# Altium PCB Hbrygga.PcbDoc
Units mm, origin at the board's own origin, x right, y up, seen from the top; angles counter-clockwise.
Board outline 100.5 x 39 mm, 2 copper layers (Top Layer, Bottom Layer), stack 1.071 mm thick; 42 components, 33 nets, 129 pads, 18 vias.
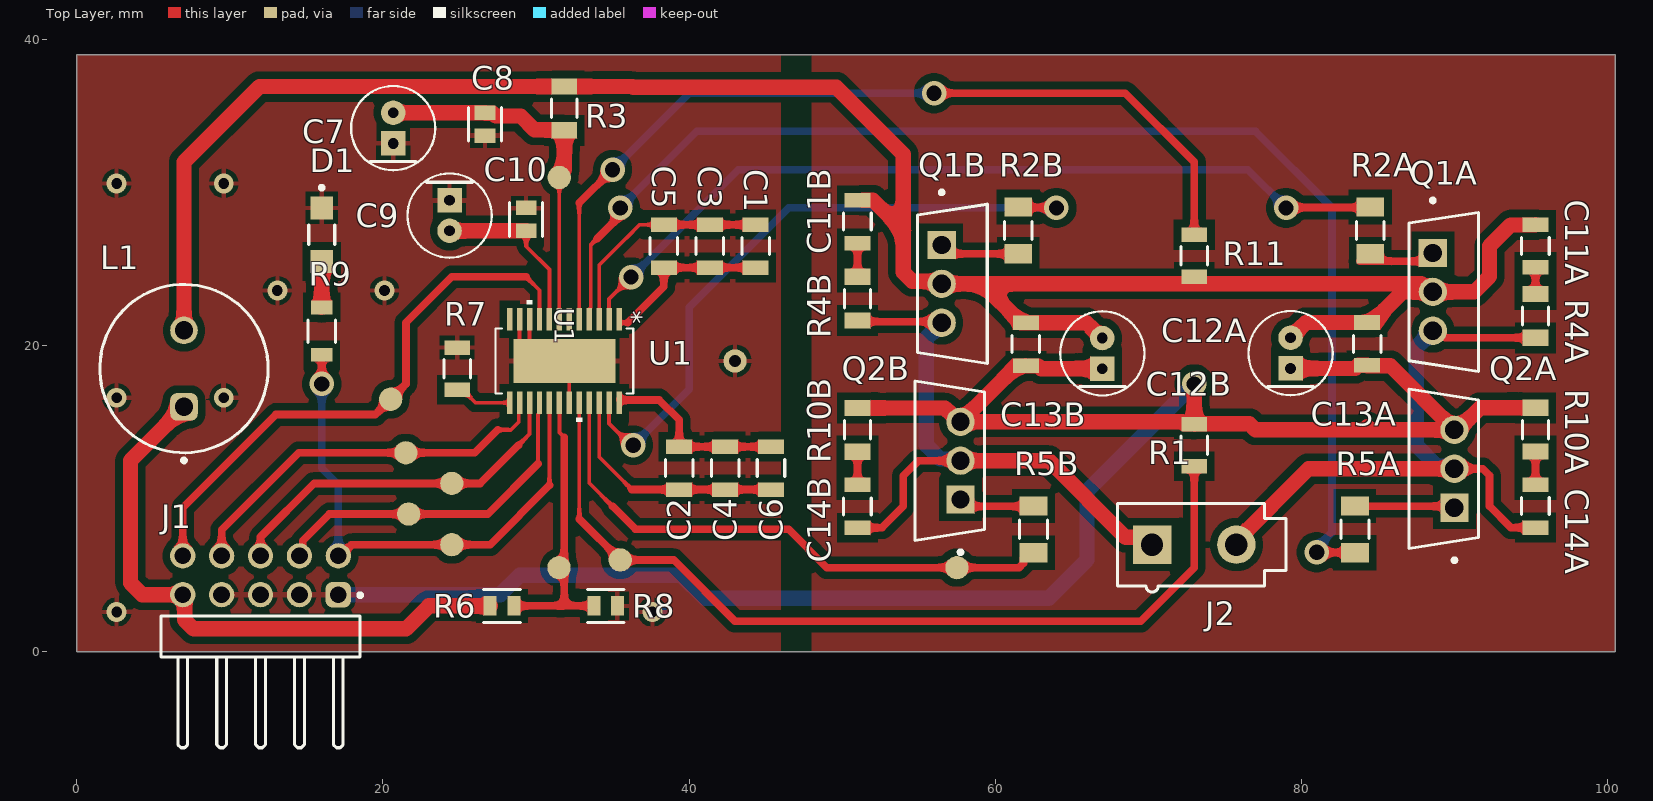
[diagram p0: Top Layer view]
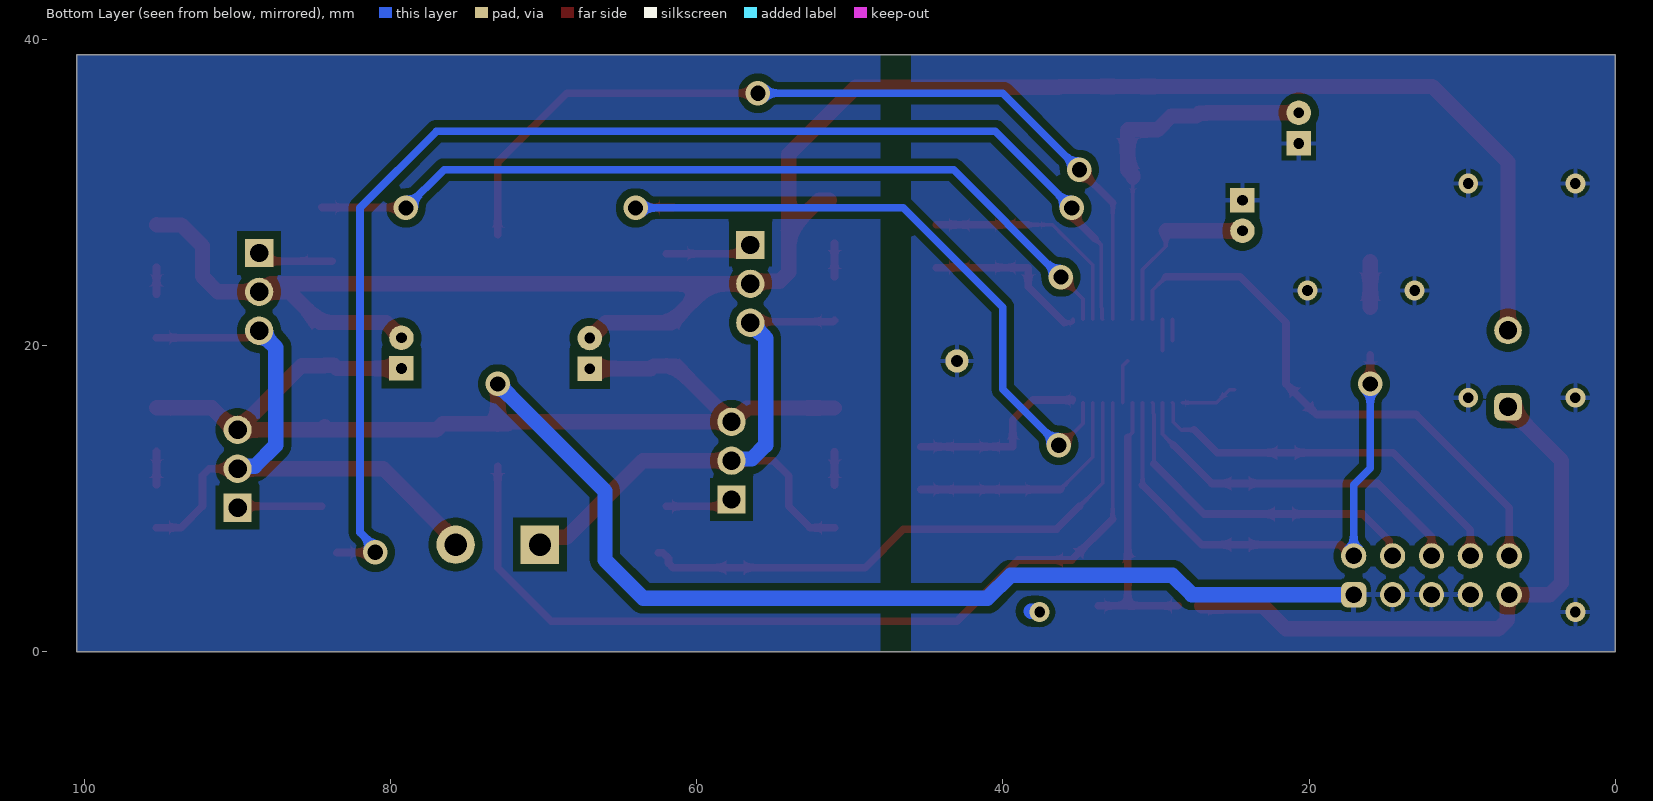
[diagram p1: Bottom Layer view, seen from below]
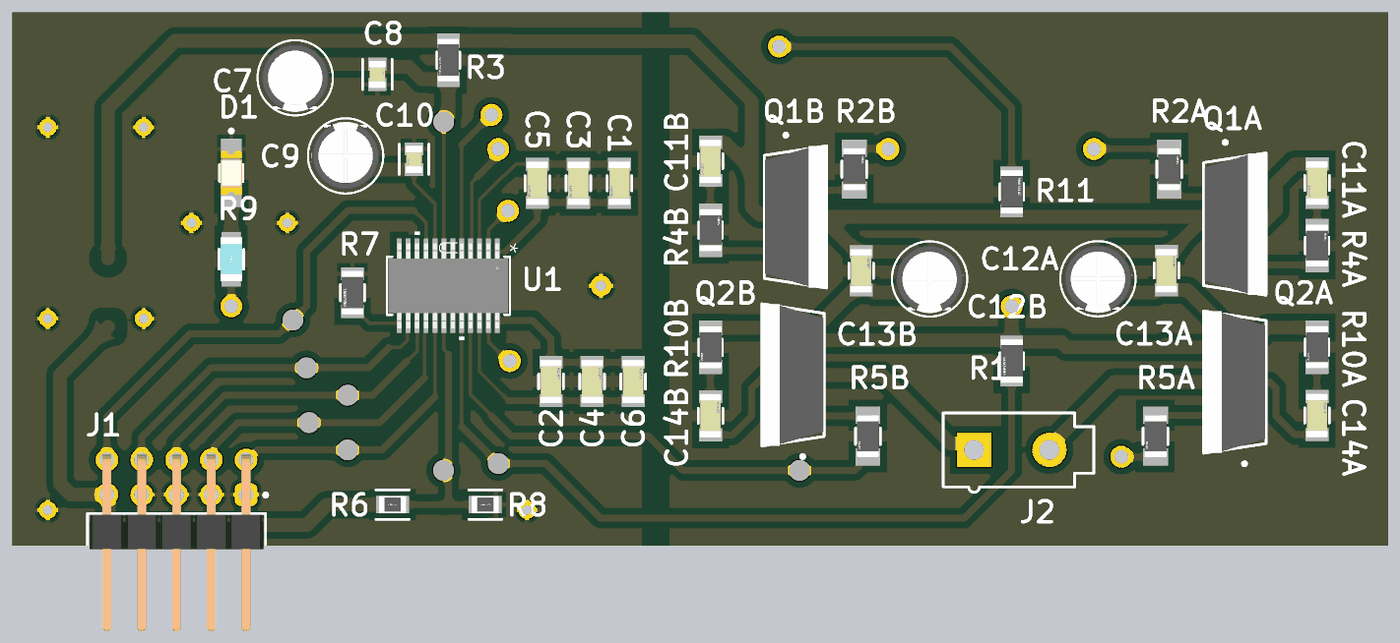
[diagram p2: 3D render of the assembled board from above, using the file's embedded part models]

## Layer stack, top to bottom
Top Solder: solder mask 0.0102, Solder Resist, Dk 3.5
Top Layer: signal copper 0.0356
Dielectric 1: dielectric 1, FR-4, Dk 4.8
Bottom Layer: signal copper 0.0356
Bottom Solder: solder mask 0.0102, Solder Resist, Dk 3.5

## Board outline
0,0 0,39 100.5,39 100.5,0

## Design rules (kind name [scope] priority, off if disabled: settings)
AssemblyTestPointUsage [All] p1: isadvanced=TRUE
AssemblyTestpoint [All] p1: isadvanced=TRUE testpointundercomponent=TRUE minsize=1.016 maxsize=2.54 preferedsize=1.524 minholesize=0 maxholesize=1.016 preferedholesize=0.813 testpointgrid=0.025 usegrid=TRUE gridtolerance=0 allowsidetop=TRUE allowsidebottom=TRUE
Clearance Clearance_1 [OnMid vs OnMid] p1: gap=0.5 ignorepadtopadclearanceinfootprint=FALSE except(0.25: Arc-Arc Arc-Track Arc-SMDPad Arc-THPad Arc-Text Track-Track Track-SMDPad Track-THPad Track-Text SMDPad-SMDPad SMDPad-Text THPad-THPad THPad-Text Text-Text) sourcerule=46 cellrowname=All cellrowtype=0 cellcolname=All cellcoltype=0 innerlayers=TRUE
Clearance Clearance_2 [(ExistsOnLayer('Top Layer') Or ExistsOnLayer('Bottom Layer')) vs (ExistsOnLayer('Top Layer') Or ExistsOnLayer('Bottom Layer'))] p2: gap=0.5 ignorepadtopadclearanceinfootprint=FALSE except(0.25: Arc-Arc Arc-Track Arc-SMDPad Arc-THPad Arc-Text Track-Track Track-SMDPad Track-THPad Track-Text SMDPad-SMDPad SMDPad-Text THPad-THPad THPad-Text Text-Text) sourcerule=46 cellrowname=All cellrowtype=0 cellcolname=All cellcoltype=0 outerlayers=TRUE
Clearance [All] p3: gap=0.254 ignorepadtopadclearanceinfootprint=FALSE ismatrix=TRUE
ComponentClearance [All] p1: isadvanced=TRUE gap=0.254 collisioncheckmode=3 verticalgap=0.254 showdistances=FALSE
FabricationTestPointUsage [All] p1: isadvanced=TRUE valid=0 allowmultiple=FALSE
FabricationTestpoint [All] p1: isadvanced=TRUE side=3 testpointundercomponent=TRUE minsize=1.016 maxsize=2.54 preferedsize=1.524 minholesize=0 maxholesize=1.016 preferedholesize=0.813 testpointgrid=0.025 allowsidetop=TRUE allowsidebottom=TRUE usegrid=TRUE gridtolerance=0
FanoutControl Fanout_BGA [IsBGA] p1: isadvanced=TRUE bgadir=Out bgaviamode=Centered fanoutstyle=Auto fanoutdirection=Alternating viagrid=0.025 // Fanout_BGA (Default Rule)
FanoutControl Fanout_LCC [IsLCC] p2: isadvanced=TRUE bgadir=Out bgaviamode=Centered fanoutstyle=Auto fanoutdirection=Alternating viagrid=0.025 // Fanout_LCC (Default Rule)
FanoutControl Fanout_SOIC [IsSOIC] p3: isadvanced=TRUE bgadir=Out bgaviamode=Centered fanoutstyle=Auto fanoutdirection=Alternating viagrid=0.025 // Fanout_SOIC (Default Rule)
FanoutControl Fanout_Small [(CompPinCount < 5)] p4: isadvanced=TRUE bgadir=Out bgaviamode=Centered fanoutstyle=Auto fanoutdirection=OutThenIn viagrid=0.025 // Fanout_Small (Default Rule)
FanoutControl Fanout_Default [All] p5: isadvanced=TRUE bgadir=Out bgaviamode=Centered fanoutstyle=Auto fanoutdirection=Alternating viagrid=0.025 // Fanout_Default (Default Rule)
Height [All] p1: isadvanced=TRUE minheight=0 maxheight=25.4 prefheight=12.7
HoleSize [All] p1: isadvanced=TRUE absolutevalues=TRUE maxlimit=2.54 minlimit=0.025 maxpercent=80.000 minpercent=20.000
HoleToHoleClearance [All] p1: isadvanced=TRUE gap=0.254 allowstackedmicrovias=TRUE
LayerPairs [All] p1: isadvanced=TRUE enforce=TRUE
MinimumSolderMaskSliver [All] p1: isadvanced=TRUE minsoldermaskwidth=0.254
NetAntennae [All] p1: isadvanced=TRUE netantennaetolerance=0
PasteMaskExpansion [All] p1: isadvanced=TRUE expansion=0
PlaneClearance [All] p1: isadvanced=TRUE clearance=0.508
PlaneConnect [All] p1: isadvanced=TRUE planeconnectstyle=Relief reliefexpansion=0.508 reliefentries=4 reliefconductorwidth=0.254 reliefairgap=0.254
PolygonConnect [All] p1: connectstyle=Relief reliefconductorwidth=0.3 reliefentries=4 polygonreliefangle="90 Angle" airgapwidth=0.3
RoutingCorners [All] p1: isadvanced=TRUE cornerstyle=45-Degree minsetback=2.54 maxsetback=2.54
RoutingPriority [All] p1: isadvanced=TRUE routingpriority=0
RoutingVias [All] p1: holewidth=0.7 width=1.3 viastyle="Through Hole" minholewidth=0.6 minwidth=1.3 maxholewidth=1 maxwidth=1.6
ShortCircuit [All] p1: isadvanced=TRUE allowed=FALSE
SilkToSilkClearance [All] p1: isadvanced=TRUE silktosilkclearance=0.254
SilkToSolderMaskClearance [IsPad] p1: isadvanced=TRUE minsilkscreentomaskgap=0.254 clearancetoexposedcopper=TRUE
SolderMaskExpansion [All] p1: isadvanced=TRUE expansion=0.102 istentingtop=FALSE
SupplyNets "Schematic Supply Nets_1" [InNet('VCC')] p1: isadvanced=TRUE voltage=0.000
SupplyNets "Schematic Supply Nets" [InNet('GND')] p2: isadvanced=TRUE voltage=0.000
UnRoutedNet [All] p1: isadvanced=TRUE
UnpouredPolygon [All] p1: isadvanced=TRUE
Width MaxMinWidth_3 [InNet('DT')] p1: maxlimit=1 minlimit=0.25 preferedwidth=1 minimp=50.000000 maximp=50.000000 favimp=50.000000
Width "Schematic Width Constraint_5" [InNet('VCC_IN')] p2: maxlimit=1 minlimit=0.25 preferedwidth=1 minimp=50.000000 maximp=50.000000 favimp=50.000000
Width "Schematic Width Constraint_4" [InNet('VDH')] p3: maxlimit=1 minlimit=0.25 preferedwidth=1 minimp=50.000000 maximp=50.000000 favimp=50.000000
Width "Schematic Width Constraint_3" [InNet('VS')] p4: maxlimit=1 minlimit=0.25 preferedwidth=1 minimp=50.000000 maximp=50.000000 favimp=50.000000
Width "Schematic Width Constraint_2" [InNet('SL')] p5: maxlimit=1 minlimit=0.25 preferedwidth=1 minimp=50.000000 maximp=50.000000 favimp=50.000000
Width "Schematic Width Constraint_1" [InNet('SH2')] p6: maxlimit=1 minlimit=0.25 preferedwidth=1 minimp=50.000000 maximp=50.000000 favimp=50.000000
Width MaxMinWidth_1 [InNet('GND')] p7: maxlimit=1 minlimit=0.25 preferedwidth=1 minimp=50.000000 maximp=50.000000 favimp=50.000000
Width MaxMinWidth_2 [InNet('VCC')] p8: maxlimit=1 minlimit=0.5 preferedwidth=1 minimp=50.000000 maximp=50.000000 favimp=50.000000
Width [All] p9: maxlimit=1 minlimit=0.25 preferedwidth=0.5 minimp=50.000000 maximp=50.000000 favimp=50.000000
4 further rules are at their usual default settings.

## Classes and differential pairs
channel class Half_bridge: U_Half_bridge1 U_Half_bridge2
component class U_Half_bridge2: C11B C12B C13B C14B Q1B Q2B R2B R4B R5B R10B
component class U_Half_bridge1: C11A C12A C13A C14A Q1A Q2A R2A R4A R5A R10A
component class Hbrygga: C1 C2 C3 C4 C5 C6 C7 C8 C9 C10 D1 J1 J2 L1 R1 R3 R6 R7 R8 R9 R11 U1

## Components (designator, comment, footprint, x,y, rotation, side; value= is the part's Value field where it differs from the comment)
C1 "100nF" FP-C1206C-EB-MFG 44.35,26.5 r90 top value="0.10 μF"
C2 "100nF" FP-C1206C-EB-MFG 39.35,12 r270 top value="0.10 μF"
C3 "100nF" FP-C1206C-EB-MFG 41.35,26.5 r90 top value="0.10 μF"
C4 "100nF" FP-C1206C-EB-MFG 42.35,12 r270 top value="0.10 μF"
C5 "100nF" FP-C1206C-EB-MFG 38.35,26.5 r90 top value="0.10 μF"
C6 "100nF" FP-C1206C-EB-MFG 45.35,12 r270 top value="0.10 μF"
C7 "2.2uF" FP-RAD-TH-D_5_0_5-L_11_1-MFG 20.668,34.214 r90 top
C8 "10nF" FP-C0805C-DN-MFG 26.668,34.464 r270 top value="10,000 pF"
C9 "2.2uF" FP-RAD-TH-D_5_0_5-L_11_1-MFG 24.35,28.5 r270 top
C10 "10nF" FP-C0805C-DN-MFG 29.35,28.25 r90 top value="10,000 pF"
C11A "47nF" FP-C1206C-EB-MFG 95.295,26.514 r90 top value="47,000 pF" (schematic designator C11)
C11B "47nF" FP-C1206C-EB-MFG 51,28.1 r90 top value="47,000 pF" (schematic designator C11)
C12A "2.2uF" FP-RAD-TH-D_5_0_5-L_11_1-MFG 79.295,19.514 r90 top (schematic designator C12)
C12B "2.2uF" FP-RAD-TH-D_5_0_5-L_11_1-MFG 67,19.5 r90 top (schematic designator C12)
C13A "100nF" FP-C1206C-EB-MFG 84.295,20.114 r270 top value="0.10 μF" (schematic designator C13)
C13B "100nF" FP-C1206C-EB-MFG 62,20.1 r270 top value="0.10 μF" (schematic designator C13)
C14A "47nF" FP-C1206C-EB-MFG 95.295,9.514 r270 top value="47,000 pF" (schematic designator C14)
C14B "47nF" FP-C1206C-EB-MFG 51,9.5 r270 top value="47,000 pF" (schematic designator C14)
D1 "LTST-C150AKT" FP-LTST-C150AKT-MFG 16,27.25 r270 top
J1 "61301021021" 61301021021 12,1 r0 top
J2 "39-28-1023" MOLX-39-28-1023-2_V 73,7 r90 top
L1 "7447471022" WE-TIS_1111 -1263,1288.5 r90 top
Q1A "IRF3205ZPBF" FP-PG-TO220-3-MFG 89.295,23.514 r0 top (schematic designator Q1)
Q1B "IRF3205ZPBF" FP-PG-TO220-3-MFG 57.205,24.04 r0 top (schematic designator Q1)
Q2A "IRF3205ZPBF" FP-PG-TO220-3-MFG 89.295,11.96 r180 top (schematic designator Q2)
Q2B "IRF3205ZPBF" FP-PG-TO220-3-MFG 57.027,12.486 r180 top (schematic designator Q2)
R1 "0ohm" FP-RC3216-IPC_C 73,13.5 r270 top
R2A "100Ohm" FP-AT1206-IPC_A 84.5,27.527 r90 top (schematic designator R2)
R2B "100Ohm" FP-AT1206-IPC_A 61.5,27.527 r90 top (schematic designator R2)
R3 "33ohm" FP-CR1206-IPC_B 31.85,35.5 r270 top
R4A "10Ohm" FP-AT1206-IPC_B 95.295,21.941 r90 top (schematic designator R4)
R4B "10Ohm" FP-AT1206-IPC_B 51,23.073 r90 top (schematic designator R4)
R5A "100Ohm" FP-AT1206-IPC_A 83.5,8 r270 top (schematic designator R5)
R5B "100Ohm" FP-AT1206-IPC_A 62.5,8 r270 top (schematic designator R5)
R6 "56kOhm" FP-MCR10-IPC_C 27.777,3 r180 top
R7 "0ohm" FP-RC3216-IPC_C 24.85,18.5 r270 top
R8 "10kOhm" FP-MCR10-IPC_C 34.554,3 r180 top
R9 "330ohm" FP-RK73G2B-MFG 16,20.95 r270 top
R10A "10Ohm" FP-AT1206-IPC_B 95.295,14.514 r270 top (schematic designator R10)
R10B "10Ohm" FP-AT1206-IPC_B 51,14.5 r270 top (schematic designator R10)
R11 "0ohm" FP-RC3216-IPC_C 73,25.876 r90 top
U1 "TLE7181EMXUMA1" PG-SSOP-4_INF 31.85,19 r270 top

## Footprints (in the part's own frame and the unit in brackets; to place one, negate y for a bottom-side part, rotate by r counter-clockwise, add the part's x,y. Pads: shape width x height; smd on the part's side, far side on the other; paste and mask are expansions set on the pad)
61301021021 [mm] "Pin Header, pitch 2.54 mm, THT, Angled, dual row, 10p"
  rrect50% 1.65x1.65 hole 1.1: 1(5.08,2.73)
  round 1.65 hole 1.1: 2(5.08,5.27) 3(2.54,2.73) 4(2.54,5.27) 5(0,2.73) 6(0,5.27) 7(-2.54,2.73) 8(-2.54,5.27) 9(-5.08,2.73) 10(-5.08,5.27)
  silkscreen extent -6.5,-7.27 6.64,2.82, body extent -6.35,-7.27 6.35,5.63, height 5.12
FP-AT1206-IPC_A [mm]
  rect 1.258x1.812 smd paste+0 mask+0: 1(-1.527,0) 2(1.527,0)
  silkscreen extent -0.6,-0.91 0.6,0.91, body extent -2.66,-1.41 2.66,1.41, height 0.25
FP-AT1206-IPC_B [mm]
  rect 1.058x1.712 smd paste+0 mask+0: 1(-1.427,0) 2(1.427,0)
  silkscreen extent -0.6,-0.86 0.6,0.86, body extent -2.21,-1.11 2.21,1.11, height 0.25
FP-C0805C-DN-MFG [mm]
  rect 0.95x1.35 smd paste+0 mask+0: 1(-0.75,0) 2(0.75,0)
  silkscreen extent -1.1,-1.07 1.1,1.07, body extent -1.4,-0.85 1.4,0.85, height 0.25
FP-C1206C-EB-MFG [mm]
  rect 0.95x1.7 smd paste+0 mask+0: 1(-1.4,0) 2(1.4,0)
  silkscreen extent -0.55,-0.9 0.55,0.9, body extent -2,-1 2,1, height 0.25
FP-CR1206-IPC_B [mm]
  rect 1.058x1.662 smd paste+0 mask+0: 1(-1.427,0) 2(1.427,0)
  silkscreen extent -0.6,-0.83 0.6,0.83, body extent -2.21,-1.08 2.21,1.08, height 0.25
FP-LTST-C150AKT-MFG [mm]
  rect 1.5x1.5 smd paste+0 mask+0: 1(-1.75,0) 2(1.75,0)
  silkscreen extent -3.2,-0.85 0.63,0.85, body extent -2.6,-0.95 2.6,0.95, height 0.25
FP-MCR10-IPC_C [mm]
  rect 0.858x1.262 smd paste+0 mask+0: 1(-0.777,0) 2(0.777,0)
  silkscreen extent -1.21,-1.07 1.21,1.07, body extent -1.31,-0.77 1.31,0.77, height 0.25
FP-PG-TO220-3-MFG [mm]
  rect 1.85x1.85 hole 1.2 paste-2539.97 mask+0: 1(-0.705,2.54)
  round 1.85 hole 1.2 paste-2539.97 mask+0: 2(-0.705,0) 3(-0.705,-2.54)
  silkscreen extent -2.27,-5.2 2.27,6.1, body extent -2.37,-5.55 2.37,5.55, height 0.25
FP-RAD-TH-D_5_0_5-L_11_1-MFG [mm]
  rect 1.6x1.6 hole 0.7 paste-2539.97 mask+0: 1(-1,0)
  round 1.6 hole 0.7 paste-2539.97 mask+0: 2(1,0)
  silkscreen extent -2.75,-2.75 2.75,2.75, body extent -2.85,-2.85 2.85,2.85, height 0.25
FP-RC3216-IPC_C [mm]
  rect 0.955x1.658 smd paste+0 mask+0: 1(-1.376,0) 2(1.376,0)
  silkscreen extent -0.6,-0.87 0.6,0.87, body extent -1.95,-0.97 1.95,0.97, height 0.25
FP-RK73G2B-MFG [mm]
  rect 0.9x1.4 smd paste+0 mask+0: 1(-1.55,0) 2(1.55,0)
  silkscreen extent -0.72,-0.9 0.72,0.9, body extent -2.1,-1 2.1,1, height 0.25
MOLX-39-28-1023-2_V [mm] "THD, 2-Leads, Body 11x5.8mm"
  rect 2.5x2.5 hole 1.45: 1(0,2.75)
  round 2.5 hole 1.45: 2(0,-2.75)
  silkscreen extent -3.1,-6 2.7,5, body extent -3.1,-6 2.7,5, height 13.6
PG-SSOP-4_INF [mil]
  rect 57.5x14 smd paste+0 mask+0: 1(-107.25,140.75) 2(-107.25,115.16) 3(-107.25,89.57) 4(-107.25,63.98) 5(-107.25,38.39) 6(-107.25,12.8) 7(-107.25,-12.8) 8(-107.25,-38.39) 9(-107.25,-63.98) 10(-107.25,-89.57) 11(-107.25,-115.16) 12(-107.25,-140.75) 13(107.25,-140.75) 14(107.25,-115.16) 15(107.25,-89.57) 16(107.25,-63.98) 17(107.25,-38.39) 18(107.25,-12.8) 19(107.25,12.8) 20(107.25,38.39) 21(107.25,63.98) 22(107.25,89.57) 23(107.25,115.16) 24(107.25,140.75)
  rect 114x262 smd paste-130.5 mask+0: EPAD(0,0)
  silkscreen extent -156,-177 156,177, body extent -122,-172 122,172, height 67
WE-TIS_1111 [mm] "THT Shielded Radial Leaded Wire Wound Inductor, body diameter 11mm"
  rrect50% 1.8x1.8 hole 1.2: 1(-1272.5,-1270)
  round 1.8 hole 1.2: 2(-1267.5,-1270)
  silkscreen extent -1276.12,-1275.5 -1264.5,-1264.5, body extent -1275.3,-1275.3 -1264.7,-1264.7, height 10.6

## Part data
C1 C2 C3 C4 C5 C6 C13A C13B: library part CMP-03020-008411-1, "C1206 0.10 μF U2J 2.00% 16 V", Capacitance="0.10 μF", Manufacturer=KEMET, Manufacturer Part Number=C1206C104G4JACAUTO, Package=C1206C-EB, Temperature="-55°C to +150°C", Temperature Characteristic=U2J, Temperature Coefficient=15%, Temperature Range High=+150°C, Temperature Range Low=-55°C, Tolerance=0.02, Voltage Rating="16 V", Automotive=Yes, Automotive Grade="Grade 0", Category=Cap, ComponentLink2Description=Datasheet, ComponentLink2URL=https://content.kemet.com/datasheets/KEM_C1007_X8R_ULTRA_150C_SMD.pdf, Device Class L1="Passive Components", Device Class L2=Capacitors, Device Class L3="Ceramic Capacitors", Height=0.88mm, Ipc Land Pattern Name=CAPC320160X78, Lead Free=Yes, Material=Ceramic, Octopart=https://octopart.com/c1206c104g4jacauto-kemet-84732513, RoHS=TRUE
C7 C9 C12A C12B: library part CMP-05427-000193-1, "Aluminum Electrolytic Capacitors (Radial Lead Type) 2.2uF ±20% 100V", Case/Package=Radial, Dielectric Material=Aluminium, Leakage Current=3uA, Max Operating Temperature=85°C, Min Operating Temperature=-40°C, Package Quantity=200, Ripple Current=30mA, Tolerance=20%, Voltage=63V, Voltage Rating=100V, Capacitance=2.2uF, Construction=RADIAL, Contact Plating=Tin, Diameter=5mm, Dissipation Factor=0.1%, Height=11mm, Height - Seated (Max)=0.472inch, Lead Diameter=0.5mm, Lead Free="Lead Free", Lead Pitch=2mm, Lead/Base Style=Straight, Length=11mm, Life (Hours)=2000Hour, Mount="Through Hole", Number of Pins=2, Packaging=Bulk, Radiation Hardening=No, REACH SVHC="No SVHC", Ripple Current (AC)=30mA, RoHS Compliant=Yes, Series=M, Termination=Radial, Voltage Rating (DC)=100V
C8 C10: library part CMP-03020-028549-1, "C0805 10,000 pF X8R 30ppm/°C 10.00% 50 V", Capacitance="10,000 pF", Manufacturer=KEMET, Manufacturer Part Number=C0805C103K5HAC, Package=C0805C-DN, Temperature="-55°C to +125°C", Temperature Characteristic=X8R, Temperature Coefficient=30ppm/°C, Temperature Range High=+125°C, Temperature Range Low=-55°C, Tolerance=0.1, Voltage Rating="50 V", Automotive=No, Category=Cap, ComponentLink2Description=Datasheet, ComponentLink2URL=https://content.kemet.com/datasheets/KEM_C1003_C0G_SMD.pdf, Device Class L1="Passive Components", Device Class L2=Capacitors, Device Class L3="Ceramic Capacitors", Height=0.88mm, Ipc Land Pattern Name=CAPC200125X78, Lead Free=Yes, Material=Ceramic, Mouser Description="Multilayer Ceramic Capacitors MLCC - SMD/SMT 50volts 0.01uF 10% ULTRA STABLE X8R", Octopart=https://octopart.com/c0805c103k5hac-kemet-74776188, RoHS=TRUE
C11A C11B C14A C14B: library part CMP-03020-010204-1, "C1206 47,000 pF X8R 20.00% 50 V", Capacitance="47,000 pF", Manufacturer=KEMET, Manufacturer Part Number=C1206C473M5HAC, Package=C1206C-EB, Temperature="-55°C to +150°C", Temperature Characteristic=X8R, Temperature Coefficient=15%, Temperature Range High=+150°C, Temperature Range Low=-55°C, Tolerance=0.2, Voltage Rating="50 V", Automotive=Yes, Automotive Grade="Grade 0", Category=Cap, ComponentLink2Description=Datasheet, ComponentLink2URL=https://content.kemet.com/datasheets/KEM_C1007_X8R_ULTRA_150C_SMD.pdf, Device Class L1="Passive Components", Device Class L2=Capacitors, Device Class L3="Ceramic Capacitors", Height=0.88mm, Ipc Land Pattern Name=CAPC320160X78, Lead Free=Yes, Material=Ceramic, Mouser Description="Multilayer Ceramic Capacitors MLCC - SMD/SMT 50volts 47000pF 20% ULTRA STABLE X8R", Octopart=https://octopart.com/c1206c473m5hac-kemet-98183372, RoHS=TRUE
D1: library part CMP-22017-000004-1, "LED AMBER CLEAR SMD", Colour=Amber, Forward Current=30mA, Forward Voltage=2.1V, Manufacturer=Lite-On, Package=0, Power Dissipation=100mW, Reverse Voltage=5V, Temperature="-55°C to +85°C", Temperature Range High=+85°C, Temperature Range Low=-55°C, Automotive=No, Category=Diode, ComponentLink2Description=Datasheet, ComponentLink2URL=https://media.digikey.com/pdf/Data%20Sheets/Lite-On%20PDFs/LTST-C150AKT.pdf, Device Class L1=Optoelectronics, Device Class L2=LEDs, Device Class L3=unset, Digikey Description="LED AMBER CLEAR SMD", Height=1.2mm, Lead Free=Yes, Led Orientation="Top View", Luminous Intensity=6mcd, Manufacturer Part Number=LTST-C150AKT, Mouser Description="Standard LEDs - SMD Amber Clear 602nm", Octopart=https://octopart.com/ltst-c150akt-lite-on-549804, Peak Emmision Wavelength=610nm, RoHS=TRUE, Viewing Angle=130°, Wavelength=602nm
J1: library part CMP-1502-01083-4, "THT Angled Pin Header WR-PHD, Pitch 2.54 mm, Dual Row, 10 pins", Color=Black, Contact Resistance=20mΩ, Current Rating=3A, Flammability Rating="UL94 V-0", Insulation Resistance=1GΩ, Max Operating Temperature=125°C, Min Operating Temperature=-40°C, Operating Supply Voltage=250V, Connector Type="Male Pin", Contact Gender=Male, Contact Material=Copper, Contact Mating Length=5.9944mm, Contact Plating=Gold, Gender=Male, Height=2.54mm, Housing Material=PBT, Insulation=Insulated, Lead Pitch=2.54mm, Length=12.7mm, Mount="Through Hole", Number of Contacts=10, Number of Pins=10, Number of Positions=10, Number of Rows=2, Orientation="Right Angle", Packaging=Bulk, Pitch=2.54mm, RoHS=Compliant, Row Spacing=2.54mm, Termination="Through Hole", Voltage Rating=250V, Width=12.7mm
J2: library part CMP-2000-05244-1, "Female Header, Pitch 4.2 mm, 1 x 2 Position, Height 12.8 mm, Tail Length 3.5 mm, -40 to 105 degC, RoHS", Colour=Clear, Current Rating=13A, Flammability Rating=UL94V-2, Manufacturer=Molex, Voltage Rating V AC=600V, Working Voltage=250V, Connector Body Material=–, Connector Insert Type=Header, Connector Mounting=PCB, Connector Mounting Orientation=PCB, Connector Type=RectangularPower, Contact Gender=–, Contact Material=Brass, Contact Plating=Tin, Contact Termination=Solder, Datasheet URL=https://datasheet.ciiva.com/11746/0900766b80460d9e-11746456.pdf, Datasheet Version="Rev. F, 05/2004", Gender=Header, Lead Spacing=4.2mm, Manufacturer URL=http://www.molex.com/, Mounting Orientation=Straight, Mounting Type=PCBoard, MSL=–, No. of Contacts=4, No. of Poles=2, No. of Rows=1, No. of Ways=2, Pitch Spacing=4.2mm, Series=Mini-FitJr, SVHC=–, Termination Method=Solder
L1: library part CMP-1406-00024-3, "Inductor Power Shielded Wirewound 2.2uH 20% 1KHz Ferrite 8.2A 8.8mOhm DCR RDL Tray", Ambient Temperature Range High=85°C, Ambient Temperature Range Low=-40°C, Case/Package=Radial, Current Rating=8.2A, DC Resistance (DCR)=7.5mΩ, Frequency=75MHz, Inductance=2.2µH, Inductance Tolerance=20%, Max Operating Temperature=125°C, Saturation Current=10A, Test Frequency=1kHz, Composition=Wirewound, Core Material=Ferrite, Diameter=11mm, Features=Shielded, Height=11.5mm, Height - Seated (Max)=11.5062mm, Lead Diameter=650µm, Lead Pitch=5mm, Length=11mm, Max DC Current=8.2A, Min Operating Temperature=-40°C, Mount="Radial, Through Hole", Number of Pins=2, REACH SVHC=Unknown, RMS Current (Irms)=8.2A, RoHS=Compliant, Self Resonant Frequency=75MHz, Series Resistance=7.5mΩ, Shielding=Shielded, Termination=Radial, Tolerance=20%, Width=11mm
Q1A Q1B Q2A Q2B: library part CMP-32901-000996-1, "MOSFET N-CH 55V 75A TO220AB", Case/Package=TO-220, Continuous Drain Current (ID)=75A, Drain to Source Breakdown Voltage=55V, Drain to Source Resistance=6.5mR, Gate to Source Voltage (Vgs)=20V, Input Capacitance=3.45nF, Max Operating Temperature=175°C, Max Power Dissipation=170W, Min Operating Temperature=-55°C, Threshold Voltage=4V, Drain to Source Voltage (Vdss)=55V, Element Configuration=Single, Fall Time=67ns, Halogen Free="Not Halogen Free", Height=0.355inch, Lead Free="Lead Free", Length=0.42inch, Max Dual Supply Voltage=55V, Mount="Through Hole", Number of Pins=3, Packaging=Rail/Tube, Polarization=N, Power Dissipation=170W, Rds On Max=6.5mR, REACH SVHC="No SVHC", RoHS Compliant=Yes, Series=HEXFET®, Turn-Off Delay Time=45ns, Turn-On Delay Time=18ns, Width=0.19inch
R1 R7 R11: library part CMP-13261-001409-1, "Res Thick Film 1206 0Ω 5% 0.25W ±300ppm/°C Molded SMD T/R", Case Code (Imperial)=1206, Case Code (Metric)=3216, Max Operating Temperature=155°C, Max Power Dissipation=250mW, Min Operating Temperature=-55°C, Resistance=0mR, Tolerance=5%, Voltage Rating (DC)=200V, Case/Package=1206, Composition="Thick Film", Contact Plating=Tin, Depth=1.6mm, Features="Moisture Resistant", Height=0.026inch, Lead Free="Lead Free", Length=3.2mm, Military Standard=Not, Mount="Surface Mount", Number of Terminations=2, Packaging="Tape and Reel", Power Rating=250mW, Radiation Hardening=No, Width=0.063inch
R2A R2B R5A R5B: library part CMP-03412-041120-1, "Thin Film Chip Resistors Automotive Grade 100Ω 0.1% 10ppm/°C 1206"
R3: library part CMP-07231-004242-1, "Thick Film Chip Resistors 1206 33Ω 0.25W 1% 100ppm/°C", Case Code (Imperial)=1206, Case Code (Metric)=3216, Max Operating Temperature=155°C, Max Power Dissipation=250mW, Min Operating Temperature=-55°C, Package Quantity=5000, Resistance=33R, Temperature Coefficient=100ppm/°C, Tolerance=1%, Voltage Rating=200V, Case/Package=1206, Composition="Thick Film", Contact Plating=Tin, Depth=1.6mm, Features="Moisture Resistant", Height=0.03inch, Length=3.2mm, Military Standard=Not, Mount="Surface Mount", Number of Terminations=2, Packaging="Tape and Reel", Power Rating=250mW, Radiation Hardening=No, Termination=SMD/SMT, Thickness=610um, Width=1.6mm
R4A R4B R10A R10B: library part CMP-03412-042184-1, "Thin Film Chip Resistors Automotive Grade 10Ω 0.1% 25ppm/°C 1206", Case/Package=1206, Max Operating Temperature=155°C, Max Power Dissipation=250mW, Min Operating Temperature=-55°C, Resistance=10R, Resistor Type="Thin Film", Temperature Coefficient=25ppm/°C, Tolerance=0.1%, Features="Moisture Resistant", Height=0.026inch, Length=0.122inch, Number of Terminations=2, Packaging="Tape and Reel", RoHS Compliant=Yes, Series=AT, Width=0.063inch
R6: library part CMP-08839-017707-1, "Thick Film Chip Resistor, 0805, 56kΩ, 5%, 200ppm/°C, 0.125W, 150V", Case Code (Imperial)=0805, Case Code (Metric)=2012, Max Power Dissipation=125mW, Package Quantity=5000, Resistance=56kR, Resistor Type="Thick Film", Temperature Coefficient=200ppm/°C, Tolerance=5%, Voltage Rating (DC)=150V, Case/Package=0805, Features="Automotive AEC-Q200", Height=0.024inch, Lead Free="Lead Free", Length=0.079inch, Number of Terminations=2, Packaging="Tape and Reel", RoHS Compliant=Yes, Series=MCR10, Width=0.049inch
R8: library part CMP-08839-006955-1, "Thick Film Chip Resistor, 0805, 10kΩ, 1%, 100ppm/°C, 0.125W, 150V", Case/Package=0805, Max Operating Temperature=155°C, Max Power Dissipation=125mW, Min Operating Temperature=-55°C, Package Quantity=10000, Resistance=10kR, Resistor Type="Thick Film", Temperature Coefficient=100ppm/°C, Tolerance=1%, Height=0.024inch, Length=0.079inch, Number of Terminations=2, Packaging="Tape and Reel", Series=MCR, Width=0.049inch
R9: library part CMP-04015-101441-1, "330Ω ±0.25% 0.25W Chip Resistor 1206 Thick Film AEC-Q200 Qualified", RoHS Compliant=Yes
U1: "It incorporates several protection features such as over current and short circuit detection as well as under-, over voltage and over temperature diagnosis. Typical applications are fans, pumps and electric power steering. The MOTIXâ„¢ TLE7181EM is designed for a 12V power net.", Manufacturer_Name=Infineon, Copyright="Copyright (C) 2026 Ultra Librarian. All rights reserved.", Datasheet=https://www.infineon.com/dgdl/Infineon-TLE7181EM-DS-v01_01-en.pdf?fileId=db3a30432f5008fe012f5440330e3991, Manufacturer_Part_Number=TLE7181EMXUMA1, RefDes=RefDes, Type=Type

## Free pads (board coordinates)
  round 1.524 smd: 16(24.5,7) 17(21.675,9) 18(24.5,11) 19(21.5,13) 20(31.512,30.987) 21(57.5,5.5) 22(35.5,6) 23(31.5,5.5) 24(20.5,16.5)
  round 1.524 hole 0.762: 27(43,19)

## Via types
v1: diameter 1.6, hole 1, Top Layer to Bottom Layer, 10 vias
v2: diameter 1.3, hole 0.7, Top Layer to Bottom Layer, 8 vias

## Nets (pads, with @x,y where several pads share a name; then routed paths per layer and width w, separated by ;. In a path a pad name is that pad's centre, name@x,y a point inside that pad or via, vN(x,y) a via of type N, cw(c..) or ccw(c..) an arc to the next point about the centre after c; other vN are vias at no path point)
BH1: C2.1 C4.1 C6.1 U1.24 | length 12.4
  Top Layer w0.25: U1.24 35.425,16.447 U1.24@35.478,16.5
  Top Layer w0.5: U1.24@35.478,16.5 35.478,16.467 35.497,16.447 38.053,16.447 39.35,15.15 C2.1 C4.1 C6.1
BH2: C1.1 C3.1 C5.1 U1.1 | length 11.3
  Top Layer w0.25: U1.1 35.425,21.553 35.478,21.5 36,21.5
  Top Layer w0.5: 36,21.5 38.35,23.85 C5.1 C3.1 C1.1
DIR: J1.4 pad.17 U1.16 | length 22.6
  Top Layer w0.25: 30.128,12.278 30.128,15.524 30.172,15.569 30.172,16.223 U1.16
  Top Layer w0.5: J1.4 14.76,6.49 14.76,7.26 16.5,9 pad.17 26.85,9 30.128,12.278
DRVDIS: J1.8 pad.19 U1.14 | length 25.3
  Top Layer w0.25: 27.5,14.5 28.35,14.5 28.872,15.022 28.872,16.223 U1.14
  Top Layer w0.5: J1.8 9.46,7.96 14.5,13 26,13 27.5,14.5
DT: R7.2 U1.13 | length 3.8
  Top Layer w0.25: R7.2 25.202,17.124 26.05,16.276 U1.13
ENA: J1.10 pad.24 U1.9 | length 37.3
  Top Layer w0.25: 29.35,24.5 30.225,23.625 U1.9
  Top Layer w0.5: J1.10 6.92,9.42 13,15.5 19.5,15.5 pad.24 21.5,17.5 21.5,21.5 24.5,24.5 29.35,24.5
ERR: J1.2 pad.16 R9.2 U1.17 | length 34.7
  Top Layer w0.25: 30.875,10.875 U1.17
  Top Layer w0.5: v1(16,17.5) R9.2 ; J1.2 17.218,6.27 17.948,7 pad.16 27,7 30.875,10.875
  Bottom Layer w0.5: v1(16,17.5) 16,12 17.08,10.92 J1.2
GH1: R2B.2 U1.23 | length 43.1
  Top Layer w0.25: U1.23 34.775,14.925 v1@36.2,13.5
  Top Layer w0.5: R2B.2 61.527,29.027 63.973,29.027 v1(64,29)
  Bottom Layer w0.5: v1(36.35,13.5) 40,17.15 40,22.5 46.5,29 v1(64,29)
GH2: R2A.2 U1.2 | length 56
  Top Layer w0.25: U1.2 34.775,23.052 v1(36.208,24.485)
  Top Layer w0.5: v1(79,29) 79.027,29.027 84.473,29.027 R2A.2
  Bottom Layer w0.5: v1(36.208,24.485) 36.015,24.485 36.015,24.515 36.239,24.515 43.223,31.5 76.5,31.5 v1(79,29)
GL1: pad.21 R5B.2 U1.21 | length 37.1
  Top Layer w0.25: U1.21 33.475,11.025 35,9.5
  Top Layer w0.5: 35,9.5 36.5,8 46.5,8 49,5.5 61.551,5.5 61.844,5.793 61.844,6.094 62.223,6.473 R5B.2
GL2: R5A.2 U1.4 | length 84.2
  Top Layer w0.25: U1.4 33.528,21.777 33.528,22.431 33.572,22.476 33.572,26.572 34,27
  Top Layer w0.5: 34,27 35.29,28.29 35.29,28.79 v1(35.5,29) ; v1(81,6.5) 81.013,6.487 83.487,6.487 R5A.2
  Bottom Layer w0.5: v1(35.5,29) 40.5,34 77,34 82,29 82,7.798 81,6.798 v1(81,6.5)
GND: C7.1 C8.2 C9.1 C10.2 C12A.1 C12B.1 C13A.2 C13B.2 D1.1 J1.1 J1.3 J1.5 J1.7 pad.27 Q2A.3 Q2B.3 R1.1 R7.1 R8.1 R10A.1 R10B.1 U1.10 U1.11 U1.19 U1.EPAD | length 143.7
  Top Layer w0.25: U1.EPAD@28.925,20.323 U1.11 ; U1.EPAD@29.575,19.673 U1.10 ; U1.EPAD 32.175,18.675 U1.19
  Top Layer w1: R10B.1 56.721,15.927 57.622,15.026 Q2B.3 ; 63.9,15.026 Q2B.3 ; 64,15.026 72.218,15.026 72.346,14.898 R1.1@72.671,14.898 ; C12B.1 63,18.5 62.825,18.675 62.025,18.675 C13B.2 61.975,18.675 61.381,18.675 Q2B.3 ; R1.1 v1(73,17.5) ; R1.1@73.023,14.898 76.602,14.898 77,14.5 84.5,14.5 ; C12A.1 83.514,18.514 83.714,18.714 C13A.2 84.32,18.689 85.811,18.689 Q2A.3 ; 84.295,14.705 84.5,14.5 ; R10A.1 91.671,15.941 90.23,14.5 Q2A.3 ; 84.5,14.5 Q2A.3
  Bottom Layer w1: J1.1 27.655,3.73 28.925,5 39.5,5 41,3.5 63.5,3.5 66,6 66,10.5 v1(73,17.5) ; v2(37.6,2.6) 37.657,2.657 v2@38.157,2.657
  other v2: 2.6,2.6 2.6,16.6 9.6,16.6 13.1,23.6 20.1,23.6 2.6,30.6 9.6,30.6
NetC11A_1: C11A.1 R4A.2 | length 1.7
  Top Layer w0.5: R4A.2 C11A.1
NetC11B_1: C11B.1 R4B.2 | length 2.2
  Top Layer w0.5: R4B.2 C11B.1
NetC14A_1: C14A.1 R10A.2 | length 2.2
  Top Layer w0.5: C14A.1 R10A.2
NetC14A_2: C14A.2 J2.2 Q1A.3 Q2A.2 R4A.1 | length 42.5
  Top Layer w0.5: Q1A.3 88.955,20.974 89.415,20.514 R4A.1 ; Q2A.2 91.849,11.96 92.295,11.514 92.295,9.514 93.695,8.114 C14A.2
  Top Layer w1: J2.2 75.75,7.25 80.46,11.96 Q2A.2
  Bottom Layer w1: Q1A.3 87.5,19.884 87.5,13.5 88.877,12.123 89.837,12.123 Q2A.2
NetC14B_1: C14B.1 R10B.2 | length 2.2
  Top Layer w0.5: C14B.1 R10B.2
NetC14B_2: C14B.2 J2.1 Q1B.3 Q2B.2 R4B.1 | length 41.2
  Top Layer w0.5: C14B.2 52.6,8.1 54,9.5 54,11.5 54.986,12.486 Q2B.2 ; R4B.1 51.073,21.573 56.221,21.573 Q1B.3@56.294,21.5
  Top Layer w1: Q2B.2 63.514,12.486 68.525,7.475 69.189,7.475 70.025,7.475 J2.1@70.5,7
  Bottom Layer w1: Q1B.3 56.5,21.489 55.5,20.489 55.5,13.5 56.408,12.592 57.626,12.592 Q2B.2
NetD1_2: D1.2 R9.1 | length 3
  Top Layer w1: R9.1 D1.2
NetQ1A_1: Q1A.1 R2A.1 | length 5
  Top Layer w0.5: R2A.1@83.822,25.514 88.05,25.514 Q1A.1
NetQ1B_1: Q1B.1 R2B.1 | length 5.7
  Top Layer w0.5: Q1B.1@56.294,26.58 Q1B.1@56.374,26.5 ; Q1B.1@56.374,26 R2B.1@62,26
NetQ2A_1: Q2A.1 R5A.1 | length 5.5
  Top Layer w0.5: 84.5,9.514 89.906,9.514 Q2A.1
NetQ2B_1: Q2B.1 R5B.1 | length 4.5
  Top Layer w0.5: Q2B.1 58.178,9.5 R5B.1@62,9.5
PWM: J1.6 pad.18 U1.15 | length 23.6
  Top Layer w0.25: 28.85,13.5 29.575,14.225 U1.15
  Top Layer w0.5: J1.6 12,7.5 15.5,11 pad.18 26.35,11 28.85,13.5
SCDL: pad.23 R6.1 R8.2 U1.18 | length 18.6
  Top Layer w0.25: U1.18 31.525,14.325 31.85,14
  Top Layer w0.5: R6.1 31.85,3 ; 31.85,14 31.85,3 ; R8.2 31.85,3
SH1: C2.2 C4.2 C6.2 U1.22 | length 15.7
  Top Layer w0.25: U1.22 34.125,12.725 36.25,10.6
  Top Layer w0.5: 36.25,10.6 C2.2 C4.2 C6.2
SH2: C1.2 C3.2 C5.2 U1.3 | length 14.9
  Top Layer w0.25: U1.3 34.125,25.275 35.925,27.075 35.94,27.075 36.765,27.9 C5.2
  Top Layer w0.5: C5.2 C3.2 C1.2
SL: pad.22 R1.2 U1.20 | length 58.6
  Top Layer w0.25: 32.825,8.675 U1.20
  Top Layer w0.5: 32.825,8.675 pad.22 39,6 43,2 69.5,2 73,5.5 R1.2
VCC: J1.9 L1.1 R6.2 | length 39.2
  Top Layer w1: L1.1 3.5,12.5 3.5,4.5 4.27,3.73 J1.9 7.044,3.606 7.044,2.086 7.63,1.5 21.5,1.5 23,3 R6.2
VCC_IN: C11A.2 C11B.2 C12A.2 C12B.2 C13A.1 C13B.1 L1.2 Q1A.2 Q1B.2 R3.1 R11.1 | length 137.5
  Top Layer w1: L1.2 7,32 11.927,36.927 R3.1 36.299,36.927 ; 36.35,36.876 49.624,36.876 54,32.5 54,27.5 ; C11B.2@51.35,29.5 52,29.5 54,27.5 ; Q1B.2@56.294,24.04 56.131,24.203 54.586,24.203 54,24.788 54,27.5 ; Q1B.2 59.135,24.04 ; C12B.2 66.946,20.5 65.946,21.5 C13B.1 61.675,21.5 59.135,24.04 ; C12A.2 80.295,21.514 C13A.1 84.62,21.514 86.62,23.514 Q1A.2 ; C11A.2 95.27,27.889 93.67,27.889 92.295,26.514 92.295,24.514 91.295,23.514 Q1A.2 ; 59.135,24.04 73,24.04 87.834,24.04 88.36,23.514 Q1A.2
VDH: R11.2 U1.5 | length 57.4
  Top Layer w0.25: U1.5 32.825,29.325
  Top Layer w0.5: 32.825,29.325 v1(35,31.5) ; v1(56,36.5) 68.5,36.5 73,32 R11.2
  Bottom Layer w0.5: v1(35,31.5) 40,36.5 v1(56,36.5)
VREG: C9.2 C10.1 U1.8 | length 11.4
  Top Layer w0.25: C10.1 29.35,26.5 30.875,24.975 U1.8
  Top Layer w1: C9.2 C10.1
VS: C7.2 C8.1 pad.20 R3.2 U1.7 | length 24.1
  Top Layer w0.25: pad.20 31.519,30.981 31.519,21.73 U1.7
  Top Layer w1: C7.2 C8.1 26.693,35.189 27.172,35.189 27.36,35 29,35 29.898,34.102 31.821,34.102 R3.2 31.85,31.492 31.5,31.142 pad.20@31.5,31
pads on no net: U1.6 U1.12

## Polygon pours and split planes (outlines as drawn)
GND on Top Layer "GND_L01_P000" (solid, pour order 0): 0,0 0,39 46,39 46,0
no net on Top Layer "NONET_L01_P002" (solid, pour order 2): 48,39 48,0 100.5,0 100.5,39
GND on Bottom Layer "GND_L02_P001" (solid, pour order 1): 0,39 46,39 46,0 0,0
no net on Bottom Layer "NONET_L02_P003" (solid, pour order 3): 48,39 100.5,39 100.5,0 48,0

## Text inside footprints (layer, text, board x,y; h text height)
U1: Top 3D Body "*" at 34.873,20.93 h1.27 r270; Top Overlay "*" at 35.654,22.296 h1.27 r270